# Altium PCB car_like_pcb.PcbDoc
Units mm, origin at the board's own origin, x right, y up, seen from the top; angles counter-clockwise.
Board outline 79.4 x 83 mm, 2 copper layers (Top Layer, Bottom Layer); 17 components, 22 nets, 83 pads, 5 vias.
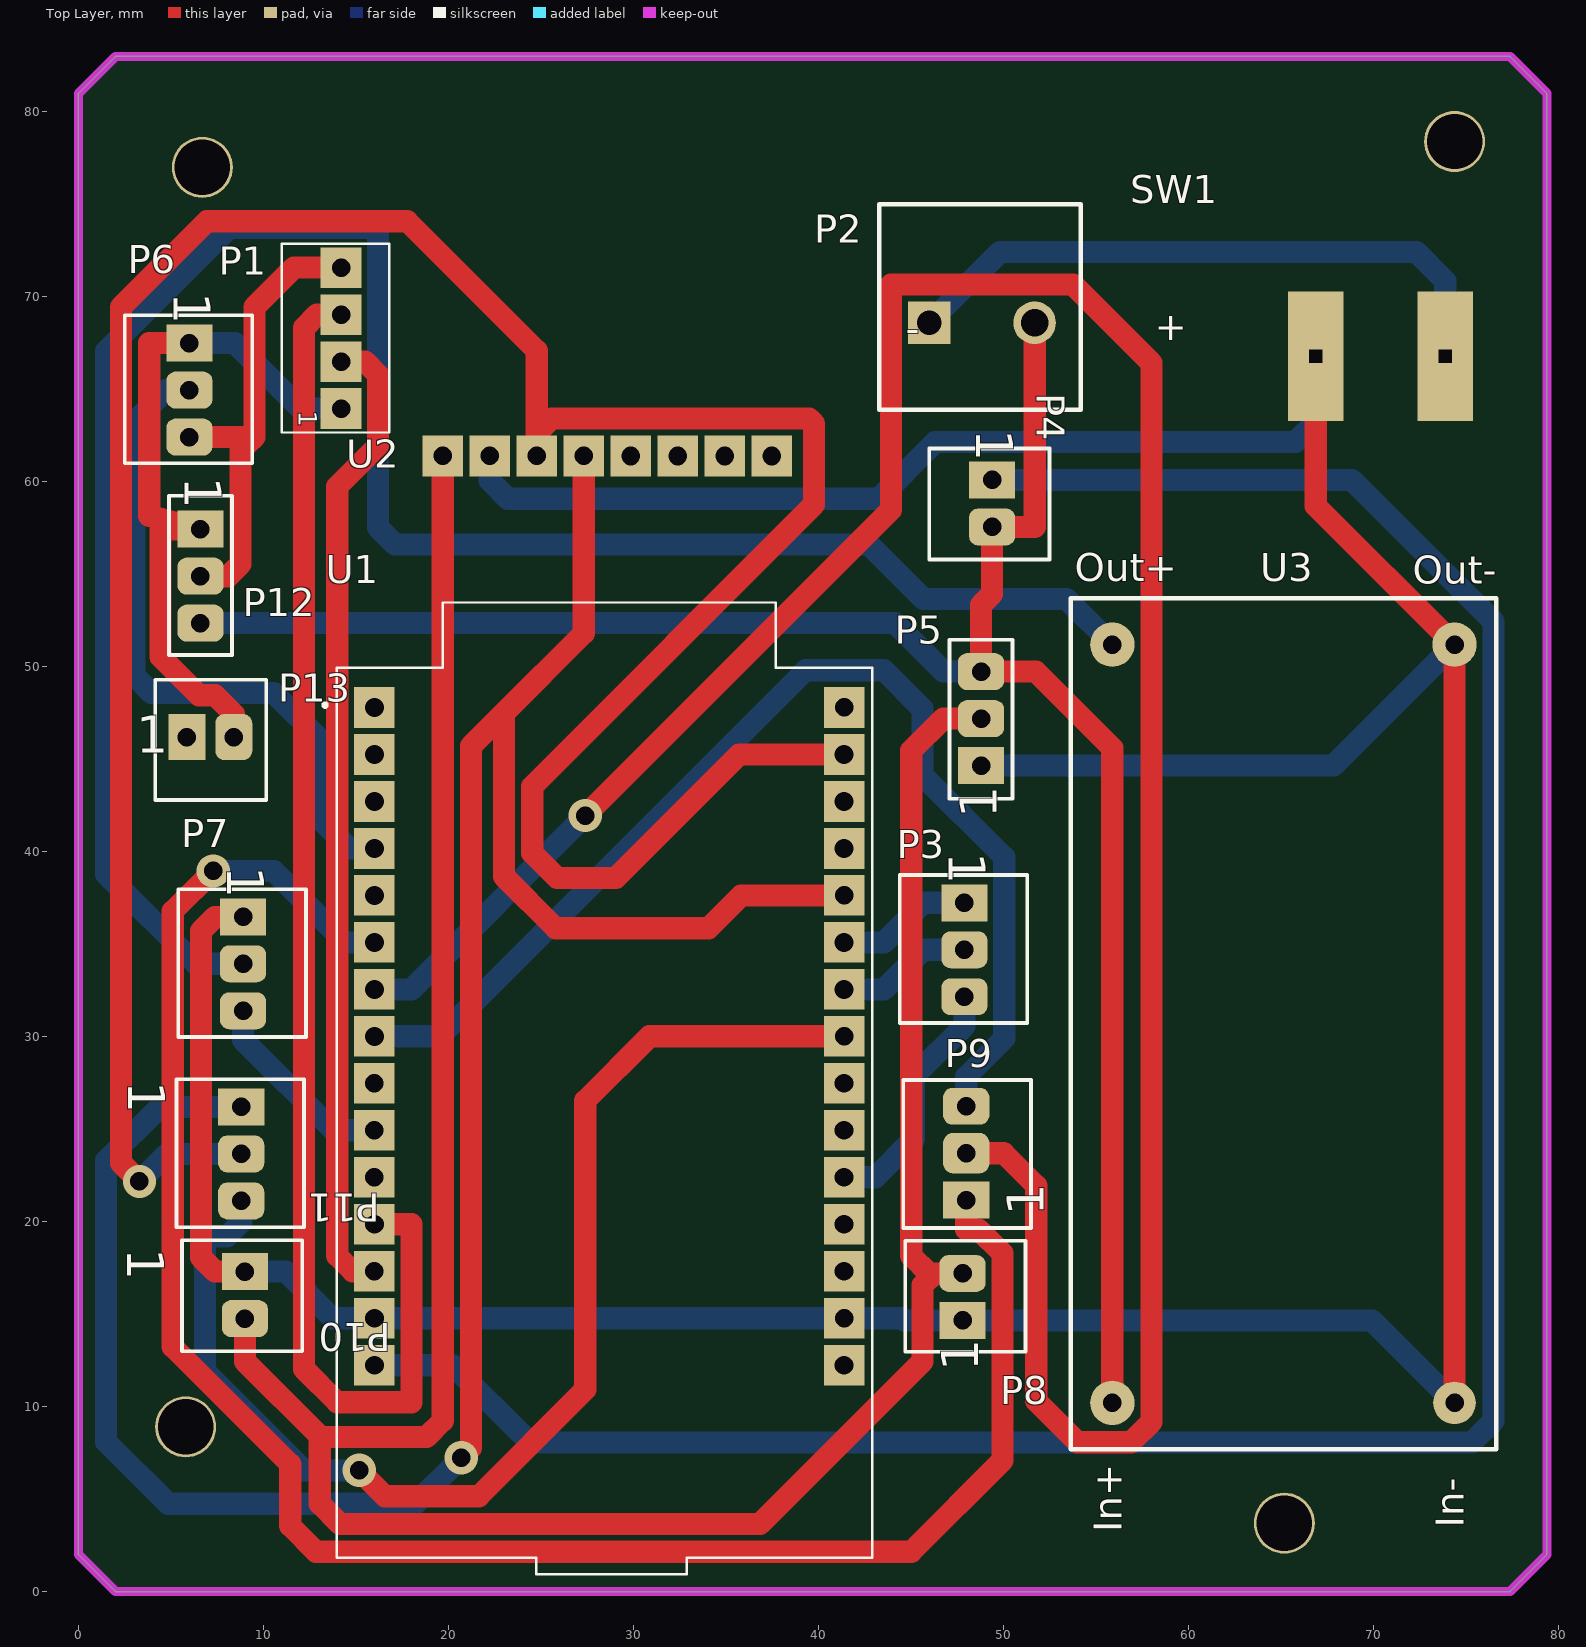
[diagram p0: Top Layer view]
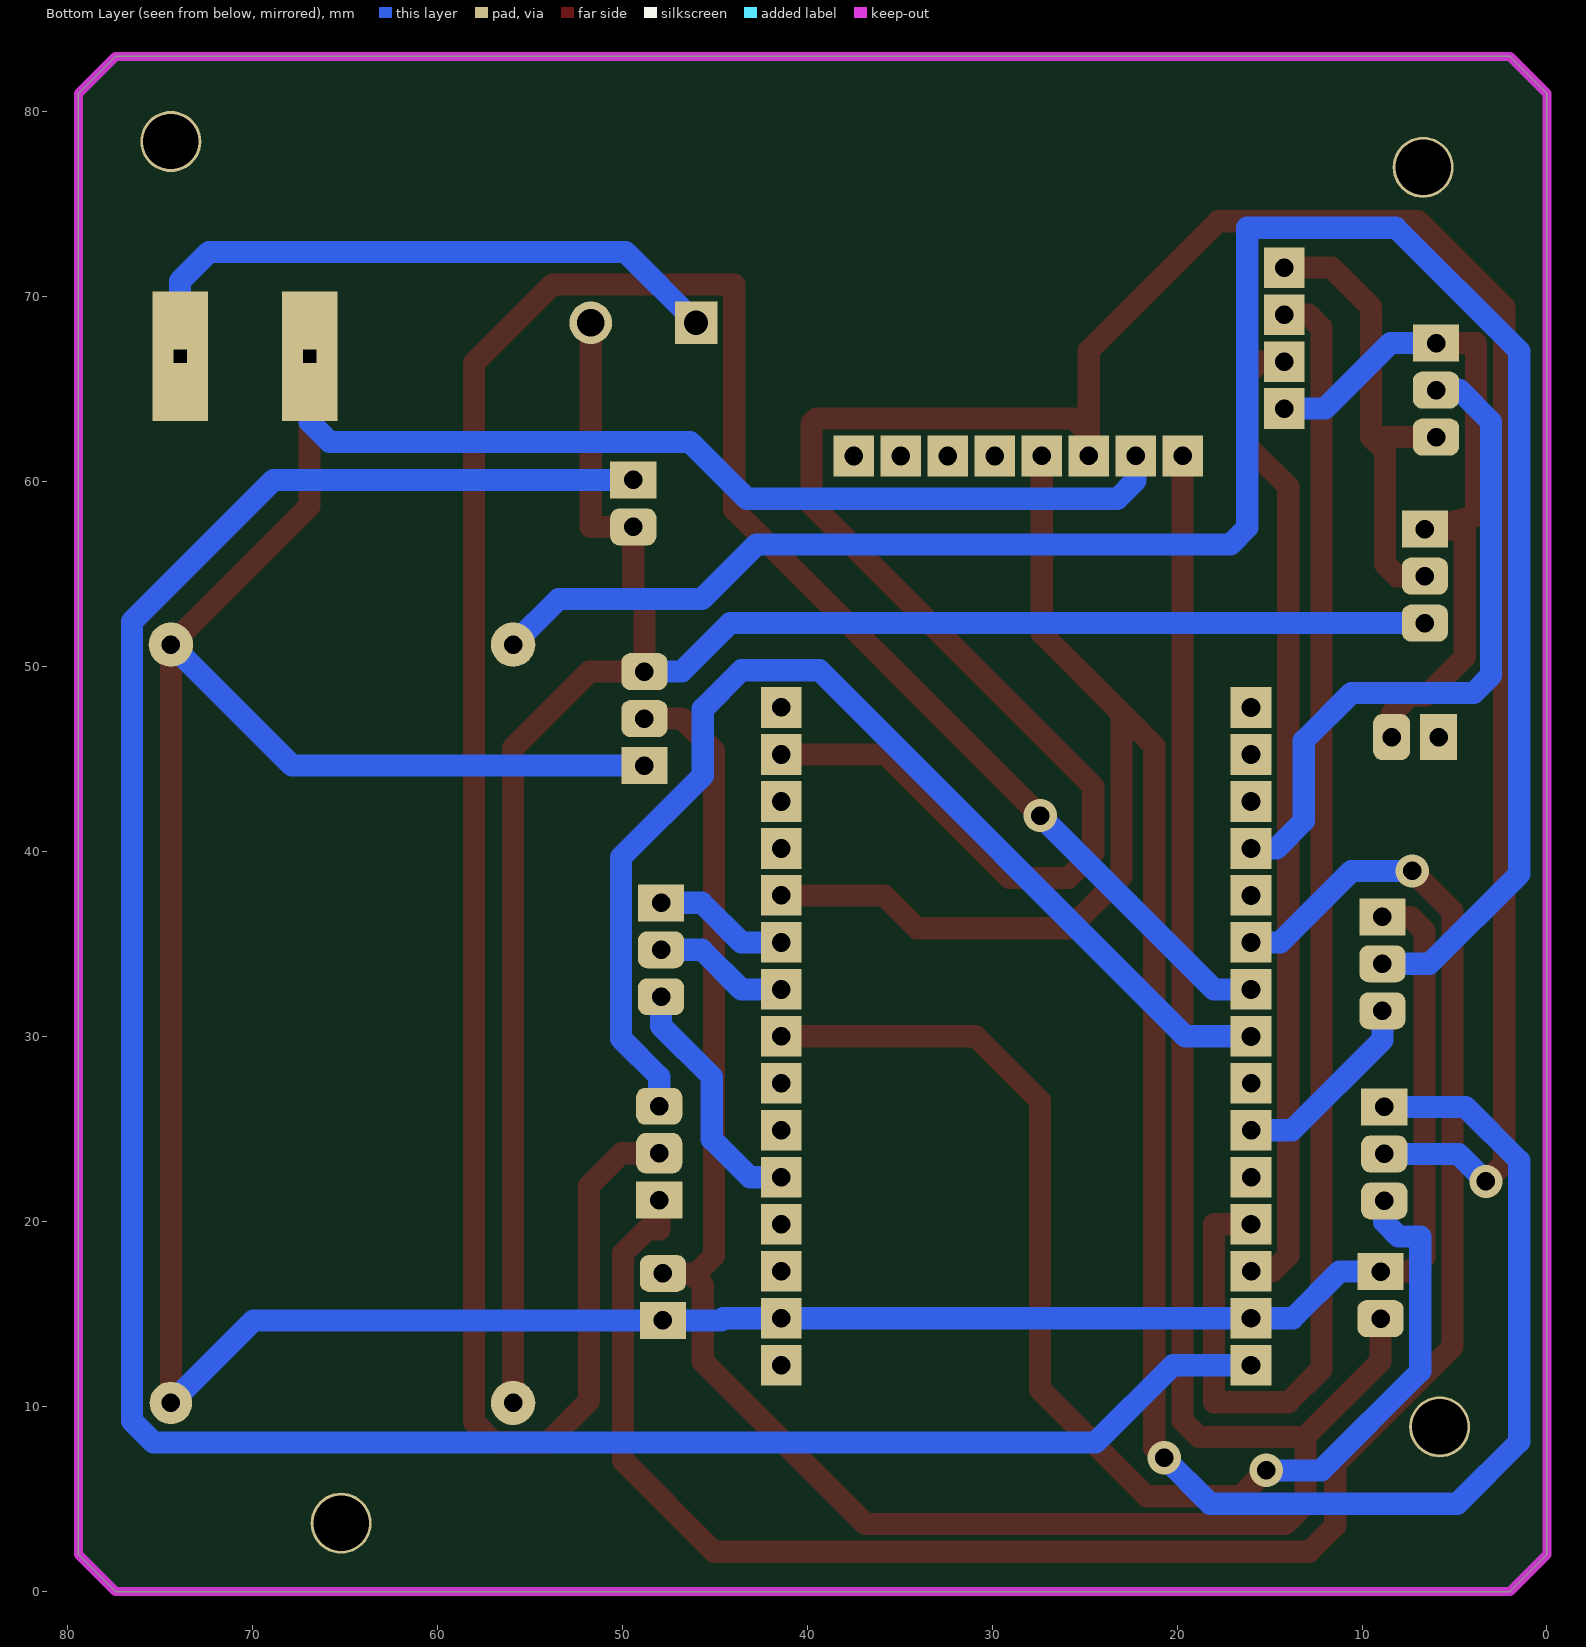
[diagram p1: Bottom Layer view, seen from below]
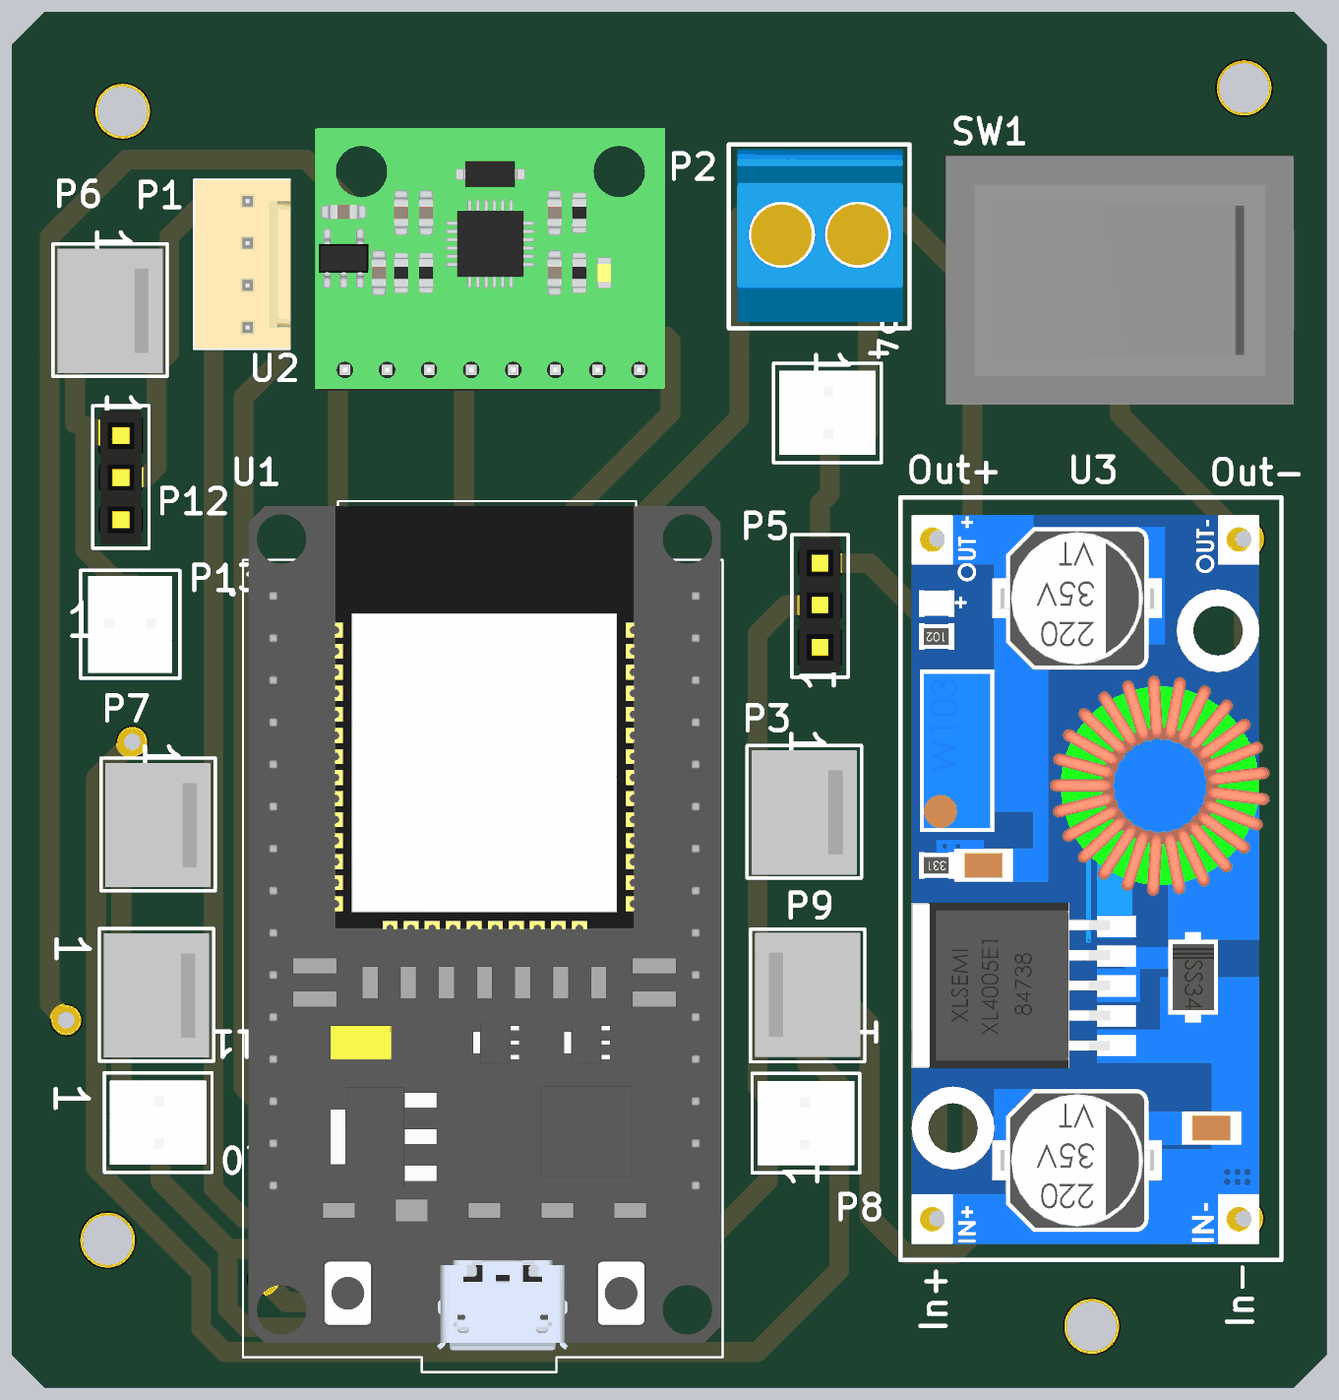
[diagram p2: 3D render of the assembled board from above, using the file's embedded part models]

## Layer stack, top to bottom
Top Solder: solder mask 0.0102, Solder Resist, Dk 3.5
Top Layer: signal copper 0.0356
Dielectric 1: dielectric 0.32, FR-4, Dk 4.8
Bottom Layer: signal copper 0.0356
Bottom Solder: solder mask 0.0102, Solder Resist, Dk 3.5

## Board outline
0,2 0,81 2,83 77.4,83 79.4,81 79.4,2 77.4,0 2,0

## Design rules (kind name [scope] priority, off if disabled: settings)
Clearance [All] p1: gap=0.3 ignorepadtopadclearanceinfootprint=FALSE
PolygonConnect [All] p1: connectstyle=Relief reliefconductorwidth=0.254 reliefentries=4 polygonreliefangle="90 Angle" airgapwidth=0.254
RoutingVias [All] p1: holewidth=1 width=1.8 viastyle="Through Hole" minholewidth=0.711 minwidth=1.5 maxholewidth=0.711 maxwidth=2
SolderMaskExpansion [All] p1: expansion=0.102 istentingtop=FALSE
Width Width_PowerNets [InNetClass('PowerNets')] p1: maxlimit=2 minlimit=1 preferedwidth=1.8
Width [All] p2: maxlimit=1.7 minlimit=1 preferedwidth=1.2
30 further rules are at their usual default settings.

## Components (designator, comment, footprint, x,y, rotation, side; value= is the part's Value field where it differs from the comment)
P1 "HEADER_4P" HEADER_4PIN 10.771,73.104 r270 top
P2 "borne_2vias" BORNE_2VIAS 46,68.6 r0 top
P3 "Header 3_male_kk" "HDR1X3_M - KK"#1 47.9,37.24 r270 top
P4 "CHAVE_VIN" "HDR1X2_M - KK" 49.4,60.1 r270 top
P5 "REG 3v3" HDR1X3_F 48.8,44.66 r90 top
P6 "POT" "HDR1X3_M - KK"#1 6,67.5 r270 top
P7 "Servo_conector" "HDR1X3_M - KK"#1 8.9,36.48 r270 top
P8 "Encoder_D_PWR" "HDR1X2_M - KK" 47.8,14.66 r90 top
P9 "Encoder_D_SIG" "HDR1X3_M - KK"#2 48,21.16 r90 top
P10 "Encoder_E_PWR" "HDR1X2_M - KK" 9,17.3 r270 top
P11 "Encoder_E_SIG" "HDR1X3_M - KK"#1 8.8,26.2 r270 top
P12 "REG 3v3_ex" HDR1X3_F 6.6,57.44 r270 top
P13 "jumper_reg2" "HDR1X2_M - KK" 5.86,46.2 r0 top
SW1 "SW-2P" SW-2 77.4,59.5 r90 top
U1 "ESP32-DEVKITC-32U" ESP32S 28.7,24.94 r0 top
U2 "GY521" GY521 39.454,60.125 r90 top
U3 "XL4005" XL4005 76.65,7.7 r90 top

## Footprints (in the part's own frame and the unit in brackets; to place one, negate y for a bottom-side part, rotate by r counter-clockwise, add the part's x,y. Pads: shape width x height; smd on the part's side, far side on the other; paste and mask are expansions set on the pad)
BORNE_2VIAS [mm]
  rect 2.3x2.3 hole 1.3: 1(0,0)
  round 2.3 hole 1.5: 2(5.7,0)
  silkscreen extent -2.7,-4.7 8.2,6.4, body extent -2.2,-4.3 7.8,6.1, height 14.8
ESP32S [mm]
  rect 2.2x2.2 / inner round 2.2 / far side rect 2.2x2.2 hole 1.02 mask+0.05: 1(-12.7,22.86)
  rect 2.2x2.2 hole 1.02 mask+0.05: 2(-12.7,20.32) 3(-12.7,17.78) 4(-12.7,15.24) 5(-12.7,12.7) 6(-12.7,10.16) 7(-12.7,7.62) 8(-12.7,5.08) 12(-12.7,-5.08) 14(-12.7,-10.16) 15(-12.7,-12.7) 17(12.7,20.32) 18(12.7,17.78) 19(12.7,15.24) 21(12.7,10.16) 22(12.7,7.62) 24(12.7,2.54) 25(12.7,0) 26(12.7,-2.54) 27(12.7,-5.08) 28(12.7,-7.62) 30(12.7,-12.7)
  rect 2.2x2.2 hole 1 mask+0.05: 9(-12.7,2.54) 10(-12.7,0) 11(-12.7,-2.54) 13(-12.7,-7.62) 16(12.7,22.86) 20(12.7,12.7) 23(12.7,5.08) 29(12.7,-10.16)
  silkscreen extent -15.47,-24 14.22,28.53, body extent -14.4,-22.67 14.1,28.26, height 9.2
GY521 [mm]
  rect 2.2x2.2 hole 1: 1(1.275,19.754) 2(1.275,17.214) 3(1.275,14.674) 4(1.275,12.134)
  rect 2.2x2.2 hole 1.01: 5(1.275,9.594) 6(1.275,7.054) 7(1.275,4.514) 8(1.275,1.974)
  body extent 0,0 15.87,21.11, height 14.94
"HDR1X2_M - KK" [mm] "Connector; Header; 2 Position"
  rect 2x2.5 hole 1: 1(0,0)
  rrect50% 2x2.5 hole 1: 2(2.54,0)
  silkscreen extent -1.7,-3.4 4.3,3.1, body extent -1.24,-3.07 3.84,2.77, height 12.1
HDR1X3_F [mm] "Connector; Header; 3 Position"
  rect 2x2.5 hole 1: 1(0,0)
  rrect50% 2x2.5 hole 1: 2(2.54,0) 3(5.08,0)
  silkscreen extent -1.8,-1.7 6.8,1.7, body extent -1.52,-1.25 6.6,1.25, height 5
"HDR1X3_M - KK"#1 [mm] "Connector; Header; 3 Position"
  rect 2x2.5 hole 1: 1(0,0)
  rrect50% 2x2.5 hole 1: 2(2.54,0) 3(5.08,0)
  silkscreen extent -1.5,-3.5 6.5,3.4, body extent -1.2,-3.23 6.28,3.12, height 11.08
"HDR1X3_M - KK"#2 [mm] "Connector; Header; 3 Position"
  rect 2x2.5 hole 1: 1(0,0)
  rrect50% 2.2x2.5 hole 1: 2(2.54,0)
  rrect50% 2x2.5 hole 1: 3(5.08,0)
  silkscreen extent -1.5,-3.5 6.5,3.4, body extent -1.2,-3.23 6.28,3.12, height 11.08
HEADER_4PIN [mm]
  rect 2.2x2.2 hole 1: 1(9.144,3.429) 2(6.604,3.429) 3(4.064,3.429) 4(1.524,3.429)
  silkscreen extent 0.23,0.23 10.43,6.03, body extent 0.25,0.28 10.41,6.07, height 11.55
SW-2 [mm]
  rect 7x3 hole 0.7 square: 1(7.3,3.5) 2(7.3,10.5)
  body extent -0.2,-0.05 14.8,21.05, height 18.62
XL4005 [mm]
  round 2.3 hole 1: 1(2.5,2.25)
  round 2.4 hole 1: 2(2.5,20.751) 3(43.5,2.25) 4(43.5,20.751)
  silkscreen extent 0,0 46,23, body extent 0.96,0.69 44.96,22.34, height 13.35

## Part data
P3: "Header, 3-Pin", LatestRevisionDate=17-Jul-2002, LatestRevisionNote="Re-released for DXP Platform.", Publisher="Altium Limited"
P4 P8 P10 P13: library part "Header 2_male_kk", "Header, 2-Pin", LatestRevisionDate=17-Jul-2002, LatestRevisionNote="Re-released for DXP Platform.", Publisher="Altium Limited"
P5 P12: library part "Header 3_female", "Header, 3-Pin", LatestRevisionDate=17-Jul-2002, LatestRevisionNote="Re-released for DXP Platform.", Publisher="Altium Limited"
P6 P7 P9 P11: library part "Header 3_male_kk", "Header, 3-Pin", LatestRevisionDate=17-Jul-2002, LatestRevisionNote="Re-released for DXP Platform.", Publisher="Altium Limited"
U1: "ESP32-WROOM-32UE series Transceiver; 802.11 b/g/n (Wi-Fi, WiFi, WLAN), BluetoothÂ® Smart Ready 4.x Dual Mode Evaluation Board", Package=None, Availability="In Stock", Check_prices=https://www.snapeda.com/parts/ESP32-DEVKITC-32U/Espressif+Systems/view-part/?ref=eda, MF="Espressif Systems", MP=ESP32-DEVKITC-32U, Price=None, Purchase-URL=https://pricing.snapeda.com/search/part/ESP32-DEVKITC-32U/?ref=eda, SnapEDA_Link=https://www.snapeda.com/parts/ESP32-DEVKITC-32U/Espressif+Systems/view-part/?ref=snap

## Free pads (board coordinates)
  round 3.3 hole 3: 1(6.7,77) 2(74.4,78.4) 3(65.2,3.7) 4(5.8,8.9)

## Via types
v1: diameter 1.8, hole 1, Top Layer to Bottom Layer, 5 vias

## Nets (pads, with @x,y where several pads share a name; then routed paths per layer and width w, separated by ;. In a path a pad name is that pad's centre, name@x,y a point inside that pad or via, vN(x,y) a via of type N, cw(c..) or ccw(c..) an arc to the next point about the centre after c; other vN are vias at no path point)
3V3: P5.2 P8.2 P10.2 U2.1 | length 147.5
  Top Layer w1.2: P10.2 9,12.446 13.052,8.394 ; U2.1 19.7,9.239 18.818,8.357 13.089,8.357 13.052,8.394 ; P8.2 46.28,17.2 ; P5.2 46.765,47.2 45.031,45.466 45.031,18.161 45.992,17.2 46.28,17.2 ; 13.052,8.394 13.052,4.75 14.146,3.656 36.851,3.656 45.64,12.446 45.64,16.561 46.28,17.2
3V3_ex: P1.4 P6.3 P12.2 | length 25.7
  Top Layer w1.2: P6.3 9.522,62.42 ; P12.2 8.11,54.9 8.76,55.55 8.76,61.683 9.522,62.42 ; P1.4 11.658,71.58 9.522,69.444 9.522,62.42
5V: P7.2 U3.4 | length 113.7
  Bottom Layer w1.2: P7.2 6.347,33.94 1.495,38.791 1.495,67.056 8.175,73.736 16.202,73.736 16.202,57.531 17.116,56.617 42.745,56.617 45.691,53.67 53.429,53.67 U3.4
7V4: P2.2 P4.2 P5.3 P12.3 U3.2 | length 108.9
  Top Layer w1.2: P2.2 51.7,57.56 P4.2 49.4,53.94 48.8,53.34 P5.3 51.762,49.74 55.899,45.603 U3.2
  Bottom Layer w1.2: P12.3 44.158,52.36 46.778,49.74 P5.3
DIR_L: P11.3 U1.23 | length 67.5
  Top Layer w1.2: v1(15.186,6.553) 16.583,5.156 21.64,5.156 27.403,10.919 27.403,26.54 30.883,30.02 U1.23
  Bottom Layer w1.2: P11.3 8.8,19.979 8.023,19.202 6.85,19.202 6.85,11.913 12.209,6.553 v1(15.186,6.553)
DIR_R: P9.3 U1.8 | length 62.9
  Bottom Layer w1.2: U1.8 19.538,30.02 39.327,49.809 43.558,49.809 45.64,47.727 45.64,44.12 50.06,39.7 50.06,29.898 48,27.838 P9.3
enablePin: P3.3 U1.26 | length 13.4
  Bottom Layer w1.2: U1.26 43.098,22.4 45.158,24.46 45.158,27.839 47.9,30.582 P3.3
ENC_IN_A: P1.3 U1.12 | length 76.8
  Top Layer w1.2: P1.3 12.903,69.04 12.189,68.326 12.189,12.04 13.992,10.236 18.005,10.236 18.005,19.86 U1.12
ENC_IN_B: P1.2 U1.13 | length 53.2
  Top Layer w1.2: P1.2 15.488,66.5 16.202,65.786 16.202,61.951 13.992,59.741 13.992,18.161 14.833,17.32 U1.13
GND: P13.1
GND_BAT: P5.1 P7.1 P8.1 P10.1 SW1.2 U1.14 U1.29 U2.2 U3.1 U3.3 | length 231
  Top Layer w1.2: P7.1 7.388,36.48 6.626,35.718 6.626,18.062 7.388,17.3 P10.1 ; SW1.2 66.9,58.7 U3.3 U3.1
  Bottom Layer w1.2: P10.1 11.223,17.3 13.743,14.78 U1.14 U1.29 44.523,14.78 44.643,14.66 P8.1 69.94,14.66 U3.1 ; U2.2 22.24,60.071 23.231,59.08 43.253,59.08 46.326,62.154 65.808,62.154 66.9,63.246 SW1.2 ; P5.1 67.86,44.66 U3.3
GND_ex: P1.1 P6.1 P12.1 P13.2 | length 39.6
  Top Layer w1.2: P6.1 3.832,67.5 3.832,58.166 P12.1 4.442,57.44 4.442,50.546 6.524,48.463 7.388,48.463 8.4,47.451 P13.2
  Bottom Layer w1.2: P6.1 8.468,67.5 12.008,63.96 P1.1
motorPin1: P3.1 U1.21 | length 7.4
  Bottom Layer w1.2: U1.21 43.558,35.1 45.698,37.24 P3.1
motorPin2: P3.2 U1.22 | length 7.4
  Bottom Layer w1.2: U1.22 43.558,32.56 45.698,34.7 P3.2
NetP2_1: P2.1 SW1.1 | length 34.2
  Bottom Layer w1.2: P2.1 49.826,72.426 72.34,72.426 73.9,70.866 SW1.1
POT_PIN: P6.2 U1.4 | length 36.8
  Bottom Layer w1.2: P6.2 4.733,64.96 3.019,63.246 3.019,49.53 3.959,48.59 10.563,48.59 13.154,45.999 13.154,41.656 14.63,40.18 U1.4
SCL: P11.2 U1.17 U2.3 | length 151.9
  Top Layer w1.2: v1(3.299,22.174) 2.308,23.165 2.308,69.444 6.956,74.092 17.777,74.092 24.78,67.088 24.78,62.611 ; U2.3 24.78,62.611 ; U1.17 35.732,45.26 29.054,38.583 25.886,38.583 24.533,39.936 24.533,43.536 39.773,58.776 39.773,63.144 39.494,63.424 25.593,63.424 24.78,62.611
  Bottom Layer w1.2: v1(3.299,22.174) 4.784,23.66 P11.2
SCL_1: P9.2 U1.7 | length 147.7
  Top Layer w1.2: v1(27.403,41.958) 43.939,58.493 43.939,70.663 53.768,70.663 58.01,66.421 58.01,9.169 56.918,8.077 54.022,8.077 51.787,10.312 51.787,21.946 50.033,23.7 P9.2
  Bottom Layer w1.2: U1.7 18.005,32.56 v1(27.403,41.958)
SDA: P11.1 U1.20 U2.4 | length 131.3
  Top Layer w1.2: v1(20.698,7.239) 21.233,7.774 21.233,45.722 23.009,47.498 ; U2.4 27.32,51.809 23.009,47.498 ; U1.20 35.833,37.64 34.058,35.865 25.803,35.865 23.009,38.659 23.009,47.498
  Bottom Layer w1.2: P11.1 4.409,26.2 1.499,23.289 1.499,8.101 4.847,4.753 18.212,4.753 v1(20.698,7.239)
SDA_1: P9.1 U1.6 | length 105.7
  Top Layer w1.2: v1(7.286,38.964) 5.102,36.779 5.102,13.233 11.452,6.883 11.452,3.556 12.852,2.156 45.028,2.156 49.958,7.087 49.958,18.288 48.663,19.583 48,19.583 P9.1
  Bottom Layer w1.2: v1(7.286,38.964) 10.563,38.964 14.427,35.1 U1.6
servoPin: P7.3 U1.10 | length 10.7
  Bottom Layer w1.2: P7.3 8.9,29.82 13.78,24.94 U1.10
VIN: P4.1 U1.15 | length 136.2
  Bottom Layer w1.2: U1.15 20.218,12.24 24.406,8.052 75.333,8.052 76.501,9.22 76.501,52.451 68.852,60.1 P4.1
pads on no net: U1.1 U1.2 U1.3 U1.5 U1.9 U1.11 U1.16 U1.18 U1.19 U1.24 U1.25 U1.27 U1.28 U1.30 U2.5 U2.6 U2.7 U2.8

## Keep-outs
Keep-Out Layer:
  the board outline again, w0.5

## Silkscreen, mask and mechanical layers (free items; w line width, h text height)
Top Overlay:
  text "+" at 58.182,67.664 h1.52
  text "-" at 44.72,67.537 h1.52

## Text inside footprints (layer, text, board x,y; h text height)
P1: Top Overlay "1" at 11.914,63.833 h1 r270; Mechanical 13 "1" at 11.8,64.43 h1.27 r270; Mechanical 13 "4" at 11.8,72.13 h1.27 r270
P3: Top Overlay "1" at 47.054,39.986 h2 r270
P4: Top Overlay "1" at 48.554,62.846 h2 r270
P5: Top Overlay "1" at 49.646,41.814 h2 r90
P6: Top Overlay "1" at 5.154,70.246 h2 r270
P7: Top Overlay "1" at 8.054,39.226 h2 r270
P8: Top Overlay "1" at 48.646,11.914 h2 r90
P9: Top Overlay "1" at 52.195,20.332 h2 r90
P10: Top Overlay "1" at 2.65,18.57 h2 r270
P11: Top Overlay "1" at 2.704,27.597 h2 r270
P12: Top Overlay "1" at 5.754,60.286 h2 r270
P13: Top Overlay "1" at 3.114,45.354 h2
U3: Top Overlay "Out-" at 72.155,54.502 h1.52; Top Overlay "Out+" at 53.867,54.629 h1.52; Top Overlay "In-" at 74.896,3.454 h1.52 r90; Top Overlay "In+" at 56.396,3.204 h1.52 r90